# KiCad board Womo.kicad_pcb (continued)
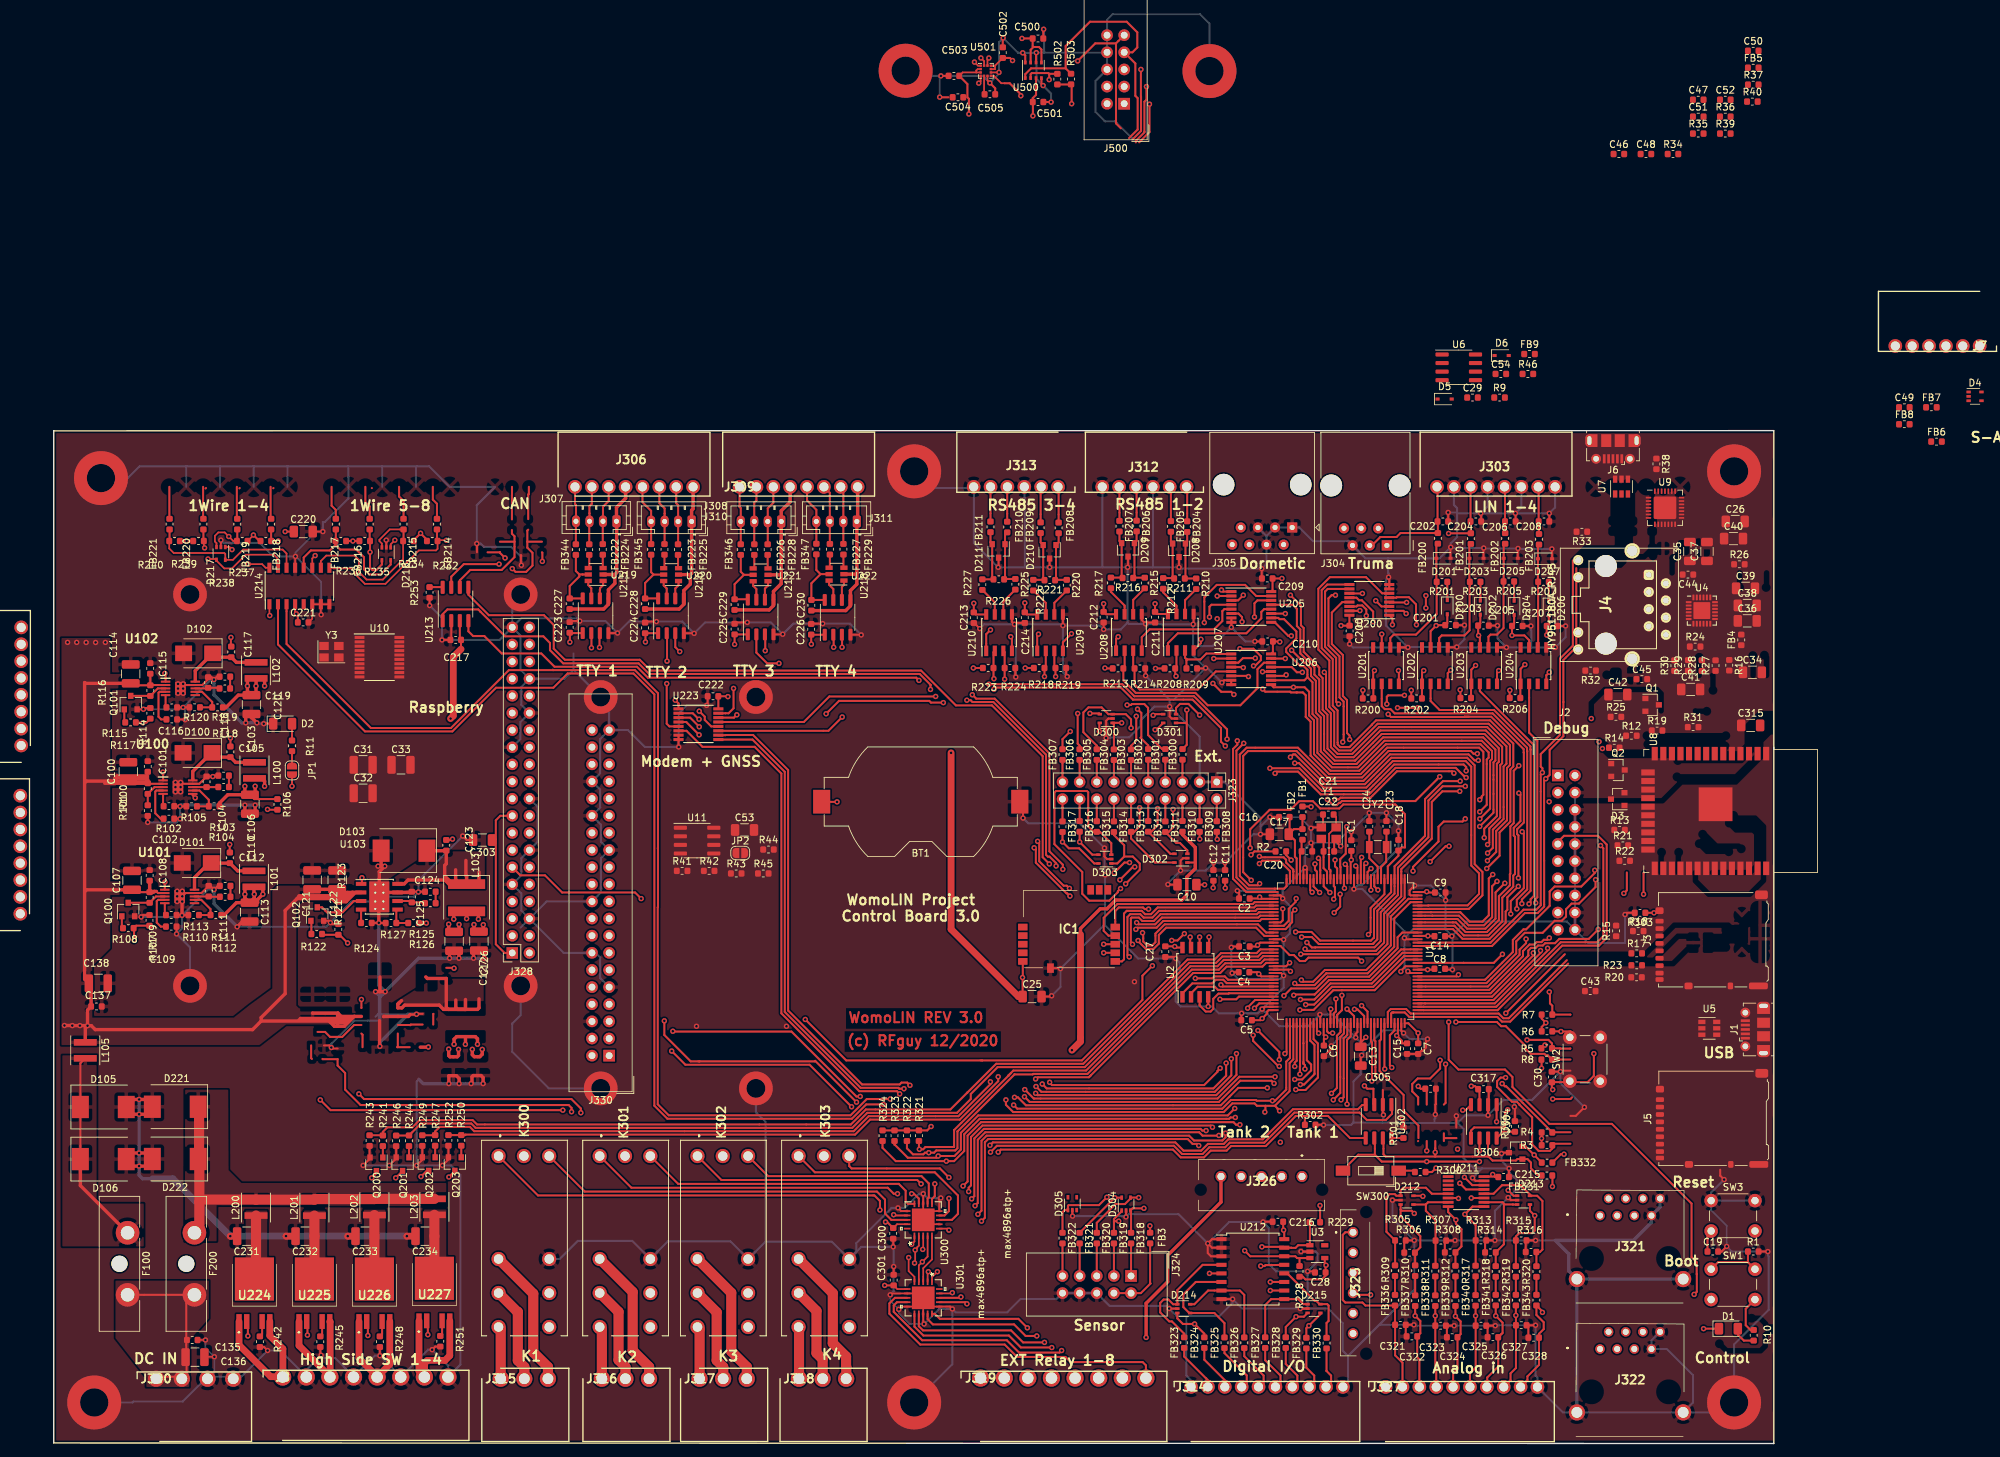
[diagram p0: board, top side]
## Placement (name value [footprint] x y rotation side) (continued)
R27  51R1  [R_0603_1608Metric]  246.25 115.29 90 top
R28  51R1  [R_0603_1608Metric]  244.22 115.29 90 top
R29  51R1  [R_0603_1608Metric]  242.19 115.32 90 top
R30  51R1  [R_0603_1608Metric]  240.16 115.29 90 top
R31  10k  [R_0603_1608Metric]  242.93 106.17 0 top
R32  330  [R_0603_1608Metric]  227.74 114.55 180 top
R33  330  [R_0603_1608Metric]  226.44 135.13 180 top
R34  4k7  [R_0603_1608Metric]  239.95 191.11 0 top
R35  120  [R_0603_1608Metric]  243.69 194.14 0 top
R36  120  [R_0603_1608Metric]  247.7 196.65 0 top
R37  120  [R_0603_1608Metric]  251.84 201.39 0 top
R38  120  [R_0603_1608Metric]  237.49 145.19 270 top
R39  0  [R_0603_1608Metric]  247.7 194.14 0 top
R40  0  [R_0603_1608Metric]  251.71 198.88 0 top
R41  0  [R_0603_1608Metric]  93.11 84.87 0 top
R42  0  [R_0603_1608Metric]  97.12 84.87 0 top
R43  10k  [R_0603_1608Metric]  101.13 84.48 0 top
R44  10k  [R_0603_1608Metric]  105.91 88.03 0 top
R45  10k  [R_0603_1608Metric]  105.14 84.48 0 top
R46  1k  [R_0603_1608Metric]  218.45 158.52 0 top
R100  332k  [R_0603_1608Metric]  13.93 97.07 270 top
R101  61k9  [R_0603_1608Metric]  13.93 93.8 270 top
R102  90k9  [R_0603_1608Metric]  17.07 94.45 0 top
R103  32k4  [R_0603_1608Metric]  25.17 97.29 0 top
R104  31k6  [R_0603_1608Metric]  23.76 94.44 180 top
R105  10k  [R_0603_1608Metric]  20.44 94.44 180 top
R106  10k  [R_0603_1608Metric]  33.15 94.72 270 top
R107  100k  [R_0603_1608Metric]  14.19 77.53 90 top
R108  10k  [R_0603_1608Metric]  11.05 76.38 0 top
R109  332k  [R_0603_1608Metric]  14.21 80.92 270 top
R110  90k9  [R_0603_1608Metric]  17.41 78.32 0 top
R111  32k4  [R_0603_1608Metric]  25.4 81.03 0 top
R112  53k6  [R_0603_1608Metric]  24.02 78.32 180 top
R113  10k  [R_0603_1608Metric]  20.73 78.32 180 top
R114  100k  [R_0603_1608Metric]  14.31 108.22 90 top
R115  10k  [R_0603_1608Metric]  11.38 106.87 0 top
R116  332k  [R_0603_1608Metric]  14.31 111.58 270 top
R117  90k9  [R_0603_1608Metric]  17.49 109.09 0 top
R118  32k4  [R_0603_1608Metric]  25.35 111.9 0 top
R119  31k6  [R_0603_1608Metric]  24.27 109.09 180 top
R120  10k  [R_0603_1608Metric]  20.88 109.11 180 top
R121  100k  [R_0603_1608Metric]  42.18 76.19 90 top
R122  10k  [R_0603_1608Metric]  38.96 75.51 0 top
R123  532k  [R_0603_1608Metric]  42.16 79.51 270 top
R124  243k  [R_0603_1608Metric]  46.33 77.15 180 top
R125  16k9  [R_0603_1608Metric]  55.8 80.07 0 top
R126  53k6  [R_0603_1608Metric]  53.32 77.14 180 top
R127  10k2  [R_0603_1608Metric]  49.98 77.14 180 top
R200  10k  [R_0603_1608Metric]  194.76 110.43 0 top
R201  1k  [R_0603_1608Metric]  205.72 127.7 180 top
R202  10k  [R_0603_1608Metric]  201.96 110.43 0 top
R203  1k  [R_0603_1608Metric]  210.63 127.7 180 top
R204  10k  [R_0603_1608Metric]  209.23 110.49 0 top
R205  1k  [R_0603_1608Metric]  215.62 127.76 180 top
R206  10k  [R_0603_1608Metric]  216.54 110.49 0 top
R207  1k  [R_0603_1608Metric]  220.75 127.7 180 top
R208  47k  [R_0603_1608Metric]  165.39 114.87 0 top
R209  47k  [R_0603_1608Metric]  168.63 114.87 0 top
R210  10R  [R_0603_1608Metric]  169.29 127.42 270 top
R211  120R  [R_0603_1608Metric]  166.81 128.21 180 top
R212  10R  [R_0603_1608Metric]  164.4 127.47 270 top
R213  47k  [R_0603_1608Metric]  157.71 114.87 0 top
R214  47k  [R_0603_1608Metric]  160.95 114.87 0 top
R215  10R  [R_0603_1608Metric]  161.67 127.53 270 top
R216  120R  [R_0603_1608Metric]  159.17 128.27 180 top
R217  10R  [R_0603_1608Metric]  156.65 127.55 270 top
R218  47k  [R_0603_1608Metric]  146.02 114.94 0 top
R219  47k  [R_0603_1608Metric]  149.23 114.94 0 top
R220  10R  [R_0603_1608Metric]  150.11 127.22 270 top
R221  120R  [R_0603_1608Metric]  147.6 127.95 180 top
R222  10R  [R_0603_1608Metric]  145.16 127.22 270 top
R223  47k  [R_0603_1608Metric]  138.47 114.94 0 top
R224  47k  [R_0603_1608Metric]  141.69 114.94 0 top
R225  10R  [R_0603_1608Metric]  142.49 127.34 270 top
R226  120R  [R_0603_1608Metric]  140.04 128.08 180 top
R227  10R  [R_0603_1608Metric]  137.6 127.29 270 top
R228  10k  [R_0603_1608Metric]  184.61 25.51 90 top
R229  10k  [R_0603_1608Metric]  186.87 32.79 180 top
R232  4k7  [R_0603_1608Metric]  56.09 133.76 0 top
R234  4k7  [R_0603_1608Metric]  52.56 133.76 180 top
R235  4k7  [R_0603_1608Metric]  46.08 133.76 0 top
R236  4k7  [R_0603_1608Metric]  42.54 133.76 180 top
R237  4k7  [R_0603_1608Metric]  31.42 133.76 0 top
R238  4k7  [R_0603_1608Metric]  27.93 133.76 180 top
R239  4k7  [R_0603_1608Metric]  21.46 133.76 0 top
R240  4k7  [R_0603_1608Metric]  17.9 133.76 180 top
R241  10k  [R_0603_1608Metric]  48.77 44.87 90 top
R242  1k  [R_0603_1608Metric]  30.54 15.09 90 top
R243  100k  [R_0603_1608Metric]  46.8 44.89 270 top
R244  10k  [R_0603_1608Metric]  52.64 44.87 90 top
R245  1k  [R_0603_1608Metric]  39.5 15.09 90 top
R246  100k  [R_0603_1608Metric]  50.74 44.86 270 top
R247  10k  [R_0603_1608Metric]  56.52 44.92 90 top
R248  1k  [R_0603_1608Metric]  48.32 15.09 90 top
R249  100k  [R_0603_1608Metric]  54.61 44.89 270 top
R250  10k  [R_0603_1608Metric]  60.39 44.92 90 top
R251  1k  [R_0603_1608Metric]  57.28 15.15 90 top
R252  100k  [R_0603_1608Metric]  58.48 44.92 270 top
R253  47k  [R_0603_1608Metric]  55.69 126.14 270 top
R300  120R  [R_0603_1608Metric]  202.49 40.23 180 top
R301  47k  [R_0603_1608Metric]  200 46.06 90 top
R302  47k  [R_0603_1608Metric]  186.18 47.23 0 top
R303  47k  [R_0603_1608Metric]  235.07 78.65 180 top
R304  47k  [R_0603_1608Metric]  216.52 46.99 90 top
R305  1k  [R_0603_1608Metric]  199.56 30.1 0 top
R306  1k  [R_0603_1608Metric]  200.92 28.28 180 top
R307  1k  [R_0603_1608Metric]  205.55 30.07 0 top
R308  1k  [R_0603_1608Metric]  206.92 28.32 180 top
R309  10k  [R_0603_1608Metric]  198.76 25.62 90 top
R310  10k  [R_0603_1608Metric]  201.74 25.62 90 top
R311  10k  [R_0603_1608Metric]  204.73 25.55 90 top
R312  10k  [R_0603_1608Metric]  207.71 25.55 90 top
R313  1k  [R_0603_1608Metric]  211.49 30.1 0 top
R314  1k  [R_0603_1608Metric]  212.89 28.32 180 top
R315  1k  [R_0603_1608Metric]  217.45 30.1 0 top
R316  1k  [R_0603_1608Metric]  218.91 28.38 180 top
R317  10k  [R_0603_1608Metric]  210.69 25.56 90 top
R318  10k  [R_0603_1608Metric]  213.68 25.5 90 top
R319  10k  [R_0603_1608Metric]  216.66 25.5 90 top
R320  10k  [R_0603_1608Metric]  219.71 25.49 90 top
R321  47k  [R_0603_1608Metric]  128.21 45.62 90 top
R322  47k  [R_0603_1608Metric]  126.43 45.62 90 top
R323  47k  [R_0603_1608Metric]  124.59 45.62 90 top
R324  47k  [R_0603_1608Metric]  122.81 45.62 90 top
R502  10k  [R_0603_1608Metric]  148.72 202.21 90 top
R503  10k  [R_0603_1608Metric]  150.75 202.22 90 top
SW1  Boot  [SW_PUSH_6mm]  245.6 25.84 0 top
SW2  ESP_B  [SW_PUSH_6mm]  224.66 53.7 90 top
SW3  Reset  [SW_PUSH_6mm]  245.6 36 0 top
SW300  SW_DIP_x01  [ck_smd_DIP_1]  195.17 40.44 180 top
U1  STM32L476ZGTx  [LQFP-144_20x20mm_P0.5mm]  191.43 72.98 270 top
U2  W25Q128JVSIQ  [SOIJ-8_5.3x5.3mm_P1.27mm]  169.17 69.85 90 top
U3  24AA02UID  [SOT-23-5]  187.24 28.44 0 top
U4  KSZ8081  [QFN-24-1EP_4x4mm_Pitch0.5mm]  244.22 123.44 0 top
U5  USBLC6-2SC6  [SOT-23-6]  245.32 61.53 0 top
U6  TJA1029T  [SOIC-8_3.9x4.9mm_P1.27mm#2]  208.21 159.5 0 top
U7  USBLC6-2SC6  [SOT-23-6]  232.32 141.83 90 top
U8  -  [ESP32-WROOM-32]  245.5 93.74 270 top
U9  CP2102N-A01-GQFN28  [QFN-28-1EP_5x5mm_P0.5mm_EP3.35x3.35mm]  238.76 138.68 0 top
U10  MCP2515-xST  [TSSOP-20_4.4x6.5mm_P0.65mm]  48.26 116.54 0 top
U11  24LC08  [SOIC-8_3.9x4.9mm_P1.27mm#2]  95.33 89.35 0 top
U100  TPS54160DGQR  [SOP50P490X110-11N]  18.4 97.28 0 top
U101  TPS54160DGQR  [SOP50P490X110-11N]  18.66 81.08 0 top
U102  TPS54160DGQR  [SOP50P490X110-11N]  18.77 111.91 0 top
U103  TPS54360DDA  [TI_SO-PowerPAD-8_ThermalVias]  48.25 81.04 0 top
U200  SN74LV4052A  [TSSOP-16_4.4x5mm_P0.65mm]  194.95 125.03 180 top
U201  TJA1029T  [SOIC-8_3.9x4.9mm_P1.27mm]  197.42 115.29 90 top
U202  TJA1029T  [SOIC-8_3.9x4.9mm_P1.27mm]  204.66 115.29 90 top
U203  TJA1029T  [SOIC-8_3.9x4.9mm_P1.27mm]  211.96 115.29 90 top
U204  TJA1029T  [SOIC-8_3.9x4.9mm_P1.27mm]  219.27 115.28 90 top
U205  SN74LV4052A  [TSSOP-16_4.4x5mm_P0.65mm]  177.46 123.98 0 top
U206  SN74LV4052A  [TSSOP-16_4.4x5mm_P0.65mm]  177.44 114.74 0 top
U207  MAX3072E  [SOIC-8_3.9x4.9mm_P1.27mm]  167.01 120.24 90 top
U208  MAX3072E  [SOIC-8_3.9x4.9mm_P1.27mm]  159.32 120.21 90 top
U209  MAX3072E  [SOIC-8_3.9x4.9mm_P1.27mm]  147.64 120.17 90 top
U210  MAX3072E  [SOIC-8_3.9x4.9mm_P1.27mm]  140.08 120.17 90 top
U211  MAX11615  [QSOP-16_3.9x4.9mm_P0.635mm]  209.28 37.34 0 top
U212  PCF8574A  [SOIC-16W_7.5x10.3mm_P1.27mm]  177.69 25.84 0 top
U213  SN65HVD234  [SOIC-8_3.9x4.9mm_P1.27mm#2]  59.54 124.42 90 top
U214  DS2482S-800+  [SOIC-16_3.9x9.9mm_P1.27mm]  36.4 127.09 90 top
U215  SI8422BB-D-IS  [SO-8_3.9x4.9mm_P1.27mm]  80.29 122.68 90 top
U216  SI8422BB-D-IS  [SO-8_3.9x4.9mm_P1.27mm]  91.47 122.67 90 top
U217  SI8422BB-D-IS  [SO-8_3.9x4.9mm_P1.27mm]  104.75 122.49 90 top
U218  SI8422BB-D-IS  [SO-8_3.9x4.9mm_P1.27mm]  116.16 122.44 90 top
U219  USBLC6-2SC6  [SOT-23-6]  80.31 128.79 180 top
U220  USBLC6-2SC6  [SOT-23-6]  91.48 128.78 180 top
U221  USBLC6-2SC6  [SOT-23-6]  104.74 128.74 180 top
U222  USBLC6-2SC6  [SOT-23-6]  116 128.84 180 top
U223  SN74LV4052A  [TSSOP-16_4.4x5mm_P0.65mm]  95.53 106.6 0 top
U224  -  [BTS6143D]  29.74 21.48 0 top
U225  -  [BTS6143D]  38.63 21.48 0 top
U226  -  [BTS6143D]  47.52 21.48 0 top
U227  -  [BTS6143D]  56.41 21.58 0 top
U300  max4896atp+  [max4896atp&plus_]  128.84 33.15 90 top
U301  max4896atp+  [max4896atp&plus_]  128.84 21.59 270 top
U302  SN65HVD234  [SOIC-8_3.9x4.9mm_P1.27mm#2]  196.32 47.75 270 top
U304  SN65HVD234  [SOIC-8_3.9x4.9mm_P1.27mm#2]  211.91 47.74 270 top
U500  BME680  [Bosch_LGA-8_3x3mm_P0.8mm_ClockwisePinNumbering]  145.16 203.52 180 top
U501  LSM303AGR  [LGA-12_2x2mm_P0.5mm]  138.11 203.45 0 top
Y1  25 MHz  [Crystal_SMD_3225-4Pin_3.2x2.5mm]  188.93 90.46 180 top
Y2  32.768  [Crystal_SMD_MicroCrystal_CC7V-T1A-2Pin_3.2x1.5mm]  196.2 88.39 180 top
Y3  16 MHz  [Crystal_SMD_3225-4Pin_3.2x2.5mm]  41.15 117.35 0 top

## Footprints (pads in the part's own frame, mm; a bottom-side part is the same pattern mirrored in y, then rotated)
436500527
  round 0.001 hole 1.32 unplated: (-15,-1.96) (3,-1.96)
  round 1.605 hole 1.07: 1(0,0) 2(-3,0) 3(-6,0) 4(-9,0) 5(-12,0)
436500628
  round 0.001 hole 1.32 unplated: (-18,-1.96) (3,-1.96)
  round 1.53 hole 1.02: 1(0,0) 2(-3,0) 3(-6,0) 4(-9,0) 5(-12,0) 6(-15,0)
513932432
  round 2.1 hole 1.4: 11(-5.04,0) 12(-10.08,0) 14(0,0) 21(-5.04,7.5) 22(-10.08,7.5) 24(0,7.5) A1(-25.34,0) A2(-25.34,7.5) A3(-25.34,3.75)
615008138221
  round 0.001 hole 3.17 unplated: (-1.27,-6.35) (10.16,-6.35)
  round 1.4 hole 0.9: 1(0,0) 2(1.27,2.54) 3(2.54,0) 4(3.81,2.54) 5(5.08,0) 6(6.35,2.54) 7(7.62,0) 8(8.89,2.54)
  round 2.4 hole 1.6: MH3(-3.43,-9.4) MH4(12.32,-9.4)
BatteryHolder_Keystone_1058_1x2032
  rect 2.54x3.51 smd: 1(-14.68,0) 2(14.68,0)
Bosch_LGA-8_3x3mm_P0.8mm_ClockwisePinNumbering
  rect 0.4x0.55 smd: 1(-1.2,1.15) 2(-0.4,1.15) 3(0.4,1.15) 4(1.2,1.15) 5(1.2,-1.15) 6(0.4,-1.15) 7(-0.4,-1.15) 8(-1.2,-1.15)
BTS6143D
  rect 0.8x2.2 smd: 1(-2.28,-3.4) 2(-1.14,-3.4) 4(1.14,-3.4) 5(2.28,-3.4)
  rect 5.8x6.4 smd: 3(0,2.9)
C_0603_1608Metric
  rrect 0.875x0.95 smd: 1(-0.787,0) 2(0.787,0)
C_1206_3216Metric
  rrect 1.25x1.75 smd: 1(-1.4,0) 2(1.4,0)
C_1210_3225Metric
  rrect 1.25x2.65 smd: 1(-1.4,0) 2(1.4,0)
ck_smd_DIP_1
  rect 2.15x1.5 smd: 1(-4.125,0) 2(4.125,0)
Crystal_SMD_3225-4Pin_3.2x2.5mm
  rect 1.4x1.2 smd: 1(-1.1,-0.85) 2(1.1,-0.85) 3(1.1,0.85) 4(-1.1,0.85)
Crystal_SMD_MicroCrystal_CC7V-T1A-2Pin_3.2x1.5mm
  rect 1x1.8 smd: 1(-1.25,0) 2(1.25,0)
D_SMB
  rect 2.5x2.3 smd: 1(-2.15,0) 2(2.15,0)
D_SMC
  rect 2.5x3.3 smd: 1(-3.4,0) 2(3.4,0)
D_SOD-323
  rect 0.6x0.45 smd: 1(-1.05,0) 2(1.05,0)
ESP32-WROOM-32
  rect 2x0.9 smd: 1(-8.5,8.255) 2(-8.5,6.985) 3(-8.5,5.715) 4(-8.5,4.445) 5(-8.5,3.175) 6(-8.5,1.905) 7(-8.5,0.635) 8(-8.5,-0.635) 9(-8.5,-1.905) 10(-8.5,-3.175) 11(-8.5,-4.445) 12(-8.5,-5.715) 13(-8.5,-6.985) 14(-8.5,-8.255) 25(8.5,-8.255) 26(8.5,-6.985) 27(8.5,-5.715) 28(8.5,-4.445) 29(8.5,-3.175) 30(8.5,-1.905) 31(8.5,-0.635) 32(8.5,0.635) 33(8.5,1.905) 34(8.5,3.175) 35(8.5,4.445) 36(8.5,5.715) 37(8.5,6.985) 38(8.5,8.255)
  rect 0.9x2 smd: 15(-5.715,-9.255) 16(-4.445,-9.255) 17(-3.175,-9.255) 18(-1.905,-9.255) 19(-0.635,-9.255) 20(0.635,-9.255) 21(1.905,-9.255) 22(3.175,-9.255) 23(4.445,-9.255) 24(5.715,-9.255)
  rect 5x5 smd: 39(-1,0.755)
Fuseholder_Blade_ATO_Littelfuse_Pudenz_2_Pin
  round 2.4 hole 2.4 unplated: (4.6,-1.2)
  round 3.5 hole 2: 1(0,0) 2(9.2,0)
HY951180A_RJ45
  round 3.25 hole 3.25 unplated: (-5.75,0) (5.75,0)
  round 2.25 hole 1.6: 0(-8,3.9) 0(8,3.9)
  rrect 1.5x1.5 hole 0.9: 1(-4.44,6.36)
  round 1.5 hole 0.9: 2(-3.18,8.9) 3(-1.9,6.36) 4(-0.64,8.9) 5(0.64,6.36) 6(1.9,8.9) 7(3.18,6.36) 8(4.44,8.9)
  round 1.5 hole 1: 9(-6.625,-4.1) 10(-4.085,-4.1) 11(4.085,-4.1) 12(6.625,-4.1)
IDC-Header_2x05_P2.54mm_Vertical
  rect 1.727x1.727 hole 1.016: 1(0,0)
  oval 1.727x1.727 hole 1.016: 2(2.54,0) 3(0,-2.54) 4(2.54,-2.54) 5(0,-5.08) 6(2.54,-5.08) 7(0,-7.62) 8(2.54,-7.62) 9(0,-10.16) 10(2.54,-10.16)
IDC-Header_2x10_P2.54mm_Vertical
  rect 1.727x1.727 hole 1.016: 1(0,0)
  oval 1.727x1.727 hole 1.016: 2(2.54,0) 3(0,-2.54) 4(2.54,-2.54) 5(0,-5.08) 6(2.54,-5.08) 7(0,-7.62) 8(2.54,-7.62) 9(0,-10.16) 10(2.54,-10.16) 11(0,-12.7) 12(2.54,-12.7) 13(0,-15.24) 14(2.54,-15.24) 15(0,-17.78) 16(2.54,-17.78) 17(0,-20.32) 18(2.54,-20.32) 19(0,-22.86) 20(2.54,-22.86)
IDC-Header_2x20_P2.54mm_Vertical
  rect 1.727x1.727 hole 1.016: 1(0,0)
  oval 1.727x1.727 hole 1.016: 2(2.54,0) 3(0,-2.54) 4(2.54,-2.54) 5(0,-5.08) 6(2.54,-5.08) 7(0,-7.62) 8(2.54,-7.62) 9(0,-10.16) 10(2.54,-10.16) 11(0,-12.7) 12(2.54,-12.7) 13(0,-15.24) 14(2.54,-15.24) 15(0,-17.78) 16(2.54,-17.78) 17(0,-20.32) 18(2.54,-20.32) 19(0,-22.86) 20(2.54,-22.86) 21(0,-25.4) 22(2.54,-25.4) 23(0,-27.94) 24(2.54,-27.94) 25(0,-30.48) 26(2.54,-30.48) 27(0,-33.02) 28(2.54,-33.02) 29(0,-35.56) 30(2.54,-35.56) 31(0,-38.1) 32(2.54,-38.1) 33(0,-40.64) 34(2.54,-40.64) 35(0,-43.18) 36(2.54,-43.18) 37(0,-45.72) 38(2.54,-45.72) 39(0,-48.26) 40(2.54,-48.26)
JST_PH_B4B-PH-K_1x04_P2.00mm_Vertical
  rrect 1.2x1.75 hole 0.75: 1(0,0)
  oval 1.2x1.75 hole 0.75: 2(2,0) 3(4,0) 4(6,0)
L_0603_1608Metric
  rrect 0.875x0.95 smd: 1(-0.787,0) 2(0.787,0)
L_Coilcraft_XAL60xx_6.36x6.56mm
  rect 1.43x5.5 smd: 1(-2.02,0) 2(2.02,0)
L_Coilcraft_XxL4020
  rect 0.98x3.4 smd: 1(-1.185,0) 2(1.185,0)
L_Coilcraft_XxL4040
  rect 0.98x3.4 smd: 1(-1.185,0) 2(1.185,0)
LED_1206_3216Metric
  rrect 1.25x1.75 smd: 1(-1.4,0) 2(1.4,0)
LGA-12_2x2mm_P0.5mm
  rect 0.375x0.35 smd: 1(-0.762,0.75) 2(-0.762,0.25) 3(-0.762,-0.25) 4(-0.762,-0.75) 7(0.762,-0.75) 8(0.762,-0.25) 9(0.762,0.25) 10(0.762,0.75)
  rect 0.35x0.375 smd: 5(-0.25,-0.762) 6(0.25,-0.762) 11(0.25,0.762) 12(-0.25,0.762)
LQFP-144_20x20mm_P0.5mm
  rrect 1.475x0.3 smd: 1(-10.662,8.75) 2(-10.662,8.25) 3(-10.662,7.75) 4(-10.662,7.25) 5(-10.662,6.75) 6(-10.662,6.25) 7(-10.662,5.75) 8(-10.662,5.25) 9(-10.662,4.75) 10(-10.662,4.25) 11(-10.662,3.75) 12(-10.662,3.25) 13(-10.662,2.75) 14(-10.662,2.25) 15(-10.662,1.75) 16(-10.662,1.25) 17(-10.662,0.75) 18(-10.662,0.25) 19(-10.662,-0.25) 20(-10.662,-0.75) 21(-10.662,-1.25) 22(-10.662,-1.75) 23(-10.662,-2.25) 24(-10.662,-2.75) 25(-10.662,-3.25) 26(-10.662,-3.75) 27(-10.662,-4.25) 28(-10.662,-4.75) 29(-10.662,-5.25) 30(-10.662,-5.75) 31(-10.662,-6.25) 32(-10.662,-6.75) 33(-10.662,-7.25) 34(-10.662,-7.75) 35(-10.662,-8.25) 36(-10.662,-8.75) 73(10.662,-8.75) 74(10.662,-8.25) 75(10.662,-7.75) 76(10.662,-7.25) 77(10.662,-6.75) 78(10.662,-6.25) 79(10.662,-5.75) 80(10.662,-5.25) 81(10.662,-4.75) 82(10.662,-4.25) 83(10.662,-3.75) 84(10.662,-3.25) 85(10.662,-2.75) 86(10.662,-2.25) 87(10.662,-1.75) 88(10.662,-1.25) 89(10.662,-0.75) 90(10.662,-0.25) 91(10.662,0.25) 92(10.662,0.75) 93(10.662,1.25) 94(10.662,1.75) 95(10.662,2.25) 96(10.662,2.75) 97(10.662,3.25) 98(10.662,3.75) 99(10.662,4.25) 100(10.662,4.75) 101(10.662,5.25) 102(10.662,5.75) 103(10.662,6.25) 104(10.662,6.75) 105(10.662,7.25) 106(10.662,7.75) 107(10.662,8.25) 108(10.662,8.75)
  rrect 0.3x1.475 smd: 37(-8.75,-10.662) 38(-8.25,-10.662) 39(-7.75,-10.662) 40(-7.25,-10.662) 41(-6.75,-10.662) 42(-6.25,-10.662) 43(-5.75,-10.662) 44(-5.25,-10.662) 45(-4.75,-10.662) 46(-4.25,-10.662) 47(-3.75,-10.662) 48(-3.25,-10.662) 49(-2.75,-10.662) 50(-2.25,-10.662) 51(-1.75,-10.662) 52(-1.25,-10.662) 53(-0.75,-10.662) 54(-0.25,-10.662) 55(0.25,-10.662) 56(0.75,-10.662) 57(1.25,-10.662) 58(1.75,-10.662) 59(2.25,-10.662) 60(2.75,-10.662) 61(3.25,-10.662) 62(3.75,-10.662) 63(4.25,-10.662) 64(4.75,-10.662) 65(5.25,-10.662) 66(5.75,-10.662) 67(6.25,-10.662) 68(6.75,-10.662) 69(7.25,-10.662) 70(7.75,-10.662) 71(8.25,-10.662) 72(8.75,-10.662) 109(8.75,10.662) 110(8.25,10.662) 111(7.75,10.662) 112(7.25,10.662) 113(6.75,10.662) 114(6.25,10.662) 115(5.75,10.662) 116(5.25,10.662) 117(4.75,10.662) 118(4.25,10.662) 119(3.75,10.662) 120(3.25,10.662) 121(2.75,10.662) 122(2.25,10.662) 123(1.75,10.662) 124(1.25,10.662) 125(0.75,10.662) 126(0.25,10.662) 127(-0.25,10.662) 128(-0.75,10.662) 129(-1.25,10.662) 130(-1.75,10.662) 131(-2.25,10.662) 132(-2.75,10.662) 133(-3.25,10.662) 134(-3.75,10.662) 135(-4.25,10.662) 136(-4.75,10.662) 137(-5.25,10.662) 138(-5.75,10.662) 139(-6.25,10.662) 140(-6.75,10.662) 141(-7.25,10.662) 142(-7.75,10.662) 143(-8.25,10.662) 144(-8.75,10.662)
max4896atp&plus_
  rect 0.965x0.254 smd: 1(-2.375,1.3) 2(-2.375,0.65) 3(-2.375,0) 4(-2.375,-0.65) 5(-2.375,-1.3) 11(2.375,-1.3) 12(2.375,-0.65) 13(2.375,0) 14(2.375,0.65) 15(2.375,1.3)
  rect 0.254x0.965 smd: 6(-1.3,-2.375) 7(-0.65,-2.375) 8(0,-2.375) 9(0.65,-2.375) 10(1.3,-2.375) 16(1.3,2.375) 17(0.65,2.375) 18(0,2.375) 19(-0.65,2.375) 20(-1.3,2.375)
  rect 3.353x3.353 smd: 21(0,0)
mico_sd
  rrect 0.7x1.2 smd: 1(2.775,7.725) 2(1.675,7.725) 3(0.575,7.725) 4(-0.525,7.725) 5(-1.625,7.725) 6(-2.725,7.725) 7(-3.825,7.725) 8(-4.925,7.725) 9(-5.875,7.725)
  rrect 1x0.8 smd: 10(-6.825,-2.775)
  rrect 1x1.2 smd: 11(-6.825,3.425) 11(4.325,7.725)
  rrect 1x2.8 smd: 11(-6.825,-6.925)
  rrect 1.3x1.9 smd: 11(6.675,-7.375)
PinHeader_2x10_P2.54mm_Vertical
  rect 1.7x1.7 hole 1: 1(0,0)
  oval 1.7x1.7 hole 1: 2(2.54,0) 3(0,-2.54) 4(2.54,-2.54) 5(0,-5.08) 6(2.54,-5.08) 7(0,-7.62) 8(2.54,-7.62) 9(0,-10.16) 10(2.54,-10.16) 11(0,-12.7) 12(2.54,-12.7) 13(0,-15.24) 14(2.54,-15.24) 15(0,-17.78) 16(2.54,-17.78) 17(0,-20.32) 18(2.54,-20.32) 19(0,-22.86) 20(2.54,-22.86)
PinSocket_2x20_P2.54mm_Vertical
  rect 1.7x1.7 hole 1: 1(0,0)
  oval 1.7x1.7 hole 1: 2(-2.54,0) 3(0,-2.54) 4(-2.54,-2.54) 5(0,-5.08) 6(-2.54,-5.08) 7(0,-7.62) 8(-2.54,-7.62) 9(0,-10.16) 10(-2.54,-10.16) 11(0,-12.7) 12(-2.54,-12.7) 13(0,-15.24) 14(-2.54,-15.24) 15(0,-17.78) 16(-2.54,-17.78) 17(0,-20.32) 18(-2.54,-20.32) 19(0,-22.86) 20(-2.54,-22.86) 21(0,-25.4) 22(-2.54,-25.4) 23(0,-27.94) 24(-2.54,-27.94) 25(0,-30.48) 26(-2.54,-30.48) 27(0,-33.02) 28(-2.54,-33.02) 29(0,-35.56) 30(-2.54,-35.56) 31(0,-38.1) 32(-2.54,-38.1) 33(0,-40.64) 34(-2.54,-40.64) 35(0,-43.18) 36(-2.54,-43.18) 37(0,-45.72) 38(-2.54,-45.72) 39(0,-48.26) 40(-2.54,-48.26)
QFN-24-1EP_4x4mm_Pitch0.5mm
  rrect 0.85x0.3 smd: 1(-1.95,1.25) 2(-1.95,0.75) 3(-1.95,0.25) 4(-1.95,-0.25) 5(-1.95,-0.75) 6(-1.95,-1.25) 13(1.95,-1.25) 14(1.95,-0.75) 15(1.95,-0.25) 16(1.95,0.25) 17(1.95,0.75) 18(1.95,1.25)
  rrect 0.3x0.85 smd: 7(-1.25,-1.95) 8(-0.75,-1.95) 9(-0.25,-1.95) 10(0.25,-1.95) 11(0.75,-1.95) 12(1.25,-1.95) 19(1.25,1.95) 20(0.75,1.95) 21(0.25,1.95) 22(-0.25,1.95) 23(-0.75,1.95) 24(-1.25,1.95)
  rrect 2.5x2.5 smd: 25(0,0)
QFN-28-1EP_5x5mm_P0.5mm_EP3.35x3.35mm
  rrect 0.9x0.9 smd: (-1.12,1.12) (-1.12,0) (-1.12,-1.12) (0,1.12) (0,0) (0,-1.12) (1.12,1.12) (1.12,0) (1.12,-1.12)
  rrect 0.8x0.25 smd: 1(-2.45,1.5) 2(-2.45,1) 3(-2.45,0.5) 4(-2.45,0) 5(-2.45,-0.5) 6(-2.45,-1) 7(-2.45,-1.5) 15(2.45,-1.5) 16(2.45,-1) 17(2.45,-0.5) 18(2.45,0) 19(2.45,0.5) 20(2.45,1) 21(2.45,1.5)
  rrect 0.25x0.8 smd: 8(-1.5,-2.45) 9(-1,-2.45) 10(-0.5,-2.45) 11(0,-2.45) 12(0.5,-2.45) 13(1,-2.45) 14(1.5,-2.45) 22(1.5,2.45) 23(1,2.45) 24(0.5,2.45) 25(0,2.45) 26(-0.5,2.45) 27(-1,2.45) 28(-1.5,2.45)
  rrect 3.35x3.35 smd: 29(0,0)
QSOP-16_3.9x4.9mm_P0.635mm
  rect 1.6x0.41 smd: 1(-2.654,2.223) 2(-2.654,1.587) 3(-2.654,0.953) 4(-2.654,0.318) 5(-2.654,-0.318) 6(-2.654,-0.953) 7(-2.654,-1.587) 8(-2.654,-2.223) 9(2.654,-2.223) 10(2.654,-1.587) 11(2.654,-0.953) 12(2.654,-0.318) 13(2.654,0.318) 14(2.654,0.953) 15(2.654,1.587) 16(2.654,2.223)
R_0603_1608Metric
  rrect 0.875x0.95 smd: 1(-0.787,0) 2(0.787,0)
RJ12_Amphenol_54601
  round 3.25 hole 3.25 unplated: (-1.91,-8.89) (8.25,-8.89)
  rect 1.52x1.52 hole 0.76: 1(0,0)
  round 1.52 hole 0.76: 2(1.27,-2.54) 3(2.54,0) 4(3.81,-2.54) 5(5.08,0) 6(6.35,-2.54)
RJ45_Amphenol_54602-x08_Horizontal
  round 3.2 hole 3.2 unplated: (-1.27,-6.35) (10.16,-6.35)
  rect 1.5x1.5 hole 0.76: 1(0,0)
  round 1.5 hole 0.76: 2(1.27,2.54) 3(2.54,0) 4(3.81,2.54) 5(5.08,0) 6(6.35,2.54) 7(7.62,0) 8(8.89,2.54)
SHDR3W100P0X350_1X3_1290X1030X850P
  round 2.4 hole 1.6: 1(0,0) 2(3.5,0) 3(7,0)
SHDR4W120P0X381_1X4_1640X1030X850P
  round 2.4 hole 1.6: 1(0,0) 2(3.81,0) 3(7.62,0) 4(11.43,0)
SHDR6W80P0X250_1X6_1750X890X780P
  round 2.025 hole 1.35: 1(0,0) 2(2.5,0) 3(5,0) 4(7.5,0) 5(10,0) 6(12.5,0)
SHDR8W80P0X250_1X8_2250X890X780P
  round 2.025 hole 1.35: 1(0,0) 2(2.5,0) 3(5,0) 4(7.5,0) 5(10,0) 6(12.5,0) 7(15,0) 8(17.5,0)
SHDR8W150P350X350_1X8_3040X1030X860P
  round 2.55 hole 1.7: 1(0,0) 2(3.5,0) 3(7,0) 4(10.5,0) 5(14,0) 6(17.5,0) 7(21,0) 8(24.5,0)
SHDR10W80P0X250_1X10_2750X890X780P
  round 2.025 hole 1.35: 1(0,0) 2(2.5,0) 3(5,0) 4(7.5,0) 5(10,0) 6(12.5,0) 7(15,0) 8(17.5,0) 9(20,0) 10(22.5,0)
SO-8_3.9x4.9mm_P1.27mm
  rrect 1.75x0.6 smd: 1(-2.575,1.905) 2(-2.575,0.635) 3(-2.575,-0.635) 4(-2.575,-1.905) 5(2.575,-1.905) 6(2.575,-0.635) 7(2.575,0.635) 8(2.575,1.905)
SOIC-8_3.9x4.9mm_P1.27mm
  rect 1.55x0.6 smd: 1(-2.7,1.905) 2(-2.7,0.635) 3(-2.7,-0.635) 4(-2.7,-1.905) 5(2.7,-1.905) 6(2.7,-0.635) 7(2.7,0.635) 8(2.7,1.905)
SOIC-8_3.9x4.9mm_P1.27mm#2
  rrect 1.95x0.6 smd: 1(-2.475,1.905) 2(-2.475,0.635) 3(-2.475,-0.635) 4(-2.475,-1.905) 5(2.475,-1.905) 6(2.475,-0.635) 7(2.475,0.635) 8(2.475,1.905)
SOIC-16_3.9x9.9mm_P1.27mm
  rect 1.5x0.6 smd: 1(-2.7,4.445) 2(-2.7,3.175) 3(-2.7,1.905) 4(-2.7,0.635) 5(-2.7,-0.635) 6(-2.7,-1.905) 7(-2.7,-3.175) 8(-2.7,-4.445) 9(2.7,-4.445) 10(2.7,-3.175) 11(2.7,-1.905) 12(2.7,-0.635) 13(2.7,0.635) 14(2.7,1.905) 15(2.7,3.175) 16(2.7,4.445)
SOIC-16W_7.5x10.3mm_P1.27mm
  rect 1.5x0.6 smd: 1(-4.65,4.445) 2(-4.65,3.175) 3(-4.65,1.905) 4(-4.65,0.635) 5(-4.65,-0.635) 6(-4.65,-1.905) 7(-4.65,-3.175) 8(-4.65,-4.445) 9(4.65,-4.445) 10(4.65,-3.175) 11(4.65,-1.905) 12(4.65,-0.635) 13(4.65,0.635) 14(4.65,1.905) 15(4.65,3.175) 16(4.65,4.445)
SOIJ-8_5.3x5.3mm_P1.27mm
  rect 1.7x0.65 smd: 1(-3.65,1.905) 2(-3.65,0.635) 3(-3.65,-0.635) 4(-3.65,-1.905) 5(3.65,-1.905) 6(3.65,-0.635) 7(3.65,0.635) 8(3.65,1.905)
SolderJumper-2_P1.3mm_Open_RoundedPad1.0x1.5mm
  custom 1x1.5 smd: 1(-0.65,0) 2(0.65,0)
SOP50P490X110-11N
  rect 1.4x0.3 smd: 1(-2.2,1) 2(-2.2,0.5) 3(-2.2,0) 4(-2.2,-0.5) 5(-2.2,-1) 6(2.2,-1) 7(2.2,-0.5) 8(2.2,0) 9(2.2,0.5) 10(2.2,1)
  rect 1.57x1.88 smd: 11(0,0)
SOT-23
  rect 0.9x0.8 smd: 1(-1,0.95) 2(-1,-0.95) 3(1,0)
SOT-23-5
  rect 1.06x0.65 smd: 1(-1.1,0.95) 2(-1.1,0) 3(-1.1,-0.95) 4(1.1,-0.95) 5(1.1,0.95)
SOT-23-6
  rect 1.06x0.65 smd: 1(-1.1,0.95) 2(-1.1,0) 3(-1.1,-0.95) 4(1.1,-0.95) 5(1.1,0) 6(1.1,0.95)
SOT-353_SC-70-5
  rect 0.65x0.4 smd: 1(-0.95,0.65) 2(-0.95,0) 3(-0.95,-0.65) 4(0.95,-0.65) 5(0.95,0.65)
SPSGRFC868
  rect 1.4x1 smd: 1(-6.85,0.28) 2(-6.85,-0.99) 3(-6.85,-2.26) 4(-6.85,-3.53) 5(-6.85,-4.8) 7(6.85,-4.8) 8(6.85,-3.53) 9(6.85,-2.26) 10(6.85,-0.99) 11(6.85,0.28)
  rect 1x1.4 smd: 6(-2.75,-5.8) 12(5.75,5.8) 13(4.48,5.8) 14(3.21,5.8)
SW_PUSH_6mm
  round 2 hole 1.1: 1(0,0) 1(6.5,0) 2(0,-4.5) 2(6.5,-4.5)
TI_SO-PowerPAD-8_ThermalVias
  rect 1.55x0.6 smd: 1(-2.7,1.905) 2(-2.7,0.635) 3(-2.7,-0.635) 4(-2.7,-1.905) 5(2.7,-1.905) 6(2.7,-0.635) 7(2.7,0.635) 8(2.7,1.905)
  round 0.6 hole 0.3: 9(-0.6,1.8) 9(-0.6,0.6) 9(-0.6,-0.7) 9(-0.6,-1.8) 9(0.6,1.8) 9(0.6,0.6) 9(0.6,-0.7) 9(0.6,-1.8)
  rect 2.6x3.1 smd: 9(0,0)
  rect 2.95x4.5 smd: 9(0,0)
  rect 2.95x4.5 smd far side: 9(0,0)
TSSOP-16_4.4x5mm_P0.65mm
  rect 1.5x0.45 smd: 1(-2.95,2.275) 2(-2.95,1.625) 3(-2.95,0.975) 4(-2.95,0.325) 5(-2.95,-0.325) 6(-2.95,-0.975) 7(-2.95,-1.625) 8(-2.95,-2.275) 9(2.95,-2.275) 10(2.95,-1.625) 11(2.95,-0.975) 12(2.95,-0.325) 13(2.95,0.325) 14(2.95,0.975) 15(2.95,1.625) 16(2.95,2.275)
TSSOP-20_4.4x6.5mm_P0.65mm
  rect 1.45x0.45 smd: 1(-2.95,2.925) 2(-2.95,2.275) 3(-2.95,1.625) 4(-2.95,0.975) 5(-2.95,0.325) 6(-2.95,-0.325) 7(-2.95,-0.975) 8(-2.95,-1.625) 9(-2.95,-2.275) 10(-2.95,-2.925) 11(2.95,-2.925) 12(2.95,-2.275) 13(2.95,-1.625) 14(2.95,-0.975) 15(2.95,-0.325) 16(2.95,0.325) 17(2.95,0.975) 18(2.95,1.625) 19(2.95,2.275) 20(2.95,2.925)
USB_Micro-B_Molex-105017-0001
  rect 0.4x1.35 smd: 1(-1.3,1.462) 2(-0.65,1.462) 3(0,1.462) 4(0.65,1.462) 5(1.3,1.462)
  oval 1.2x1.9 hole 0.6x1.3: 6(-3.5,-1.238) 6(3.5,-1.238)
  rect 1.2x1.9 smd: 6(-2.9,-1.238) 6(2.9,-1.238)
  round 1.45 hole 0.85: 6(-2.5,1.462) 6(2.5,1.462)
  rect 1.5x1.9 smd: 6(-1,-1.238) 6(1,-1.238)

## Nets
3VA_EN: R114.1 R115.2 U1.5
5V_EN: R107.1 R108.2 U1.58
5V_GSM_EN: U1.60
5V_Raspi_EN: R121.1 R122.2 U1.59
+3.3VA: C25.1 C26.1 C28.1 C30.2 C49.1 C120.1 C200.1 C209.1 C210.1 C211.2 C212.2 C213.2 C214.2 C215.2 C216.2 C220.1 C221.1 C222.1 C223.1 C224.1 C225.1 C226.1 C300.2 C301.2 C500.1 C501.1 C502.1 C503.1 C504.1 D4.1 FB3.2 FB8.2 FB309.2 IC1.5 J5.4 J500.2 J500.4 L102.2 R3.1 R4.1 R5.1 R6.1 R7.1 R119.1 R208.1 R213.1 R218.1 R223.1 R228.1 R229.1 R232.1 R234.1 R235.1 R236.1 R237.1 R238.1 R239.1 R240.1 R321.2 R322.2 R323.2 R324.2 R502.1 R503.1 U3.4 U200.16 U205.16 U206.16 U207.8 U208.8 U209.8 U210.8 U211.16 U212.16 U214.4 U215.1 U216.1 U217.1 U218.1 U223.16 U300.6 U300.19 U301.6 U301.19 U500.2 U500.6 U500.8 U501.2 U501.3 U501.9 U501.10
+3.3VP: C34.1 C39.1 C40.1 C42.1 C48.2 C315.1 FB4.1 J3.4 R12.1 R13.1 R16.1 R17.1 R18.1 R19.1 R20.1 R25.1 R31.1 R34.2 U4.14 U8.2 U9.6
+3V3: C1.1 C2.1 C3.1 C4.1 C5.1 C6.1 C7.1 C8.1 C9.1 C10.1 C11.1 C12.1 C13.1 C14.2 C15.2 C27.1 C106.1 C217.2 C305.2 C317.2 FB2.2 FB308.2 J2.1 J2.2 JP1.1 L100.2 R8.1 R9.1 R10.1 R39.1 R104.1 R106.1 R200.1 R202.1 R204.1 R206.1 SW1.2 U1.17 U1.39 U1.52 U1.62 U1.72 U1.84 U1.95 U1.106 U1.108 U1.121 U1.131 U1.144 U2.8 U213.3 U302.3 U304.3
+5V: C113.1 D302.1 FB310.2 K300.A3 K301.A3 K302.A3 K303.A3 L101.2 R112.1
+5VD: C33.1 C126.1 C127.1 J328.2 J328.4 J330.2 J330.4 L103.2 R126.1
GND: BT1.2 C1.2 C2.2 C3.2 C4.2 C5.2 C6.2 C7.2 C8.2 C9.2 C10.2 C11.2 C12.2 C13.2 C14.1 C15.1 C16.1 C17.1 C18.2 C19.2 C20.2 C21.2 C22.2 C23.1 C24.1 C25.2 C26.2 C27.2 C28.2 C29.1 C30.1 C31.2 C32.2 C33.2 C34.2 C35.2 C36.2 C37.2 C38.2 C39.2 C40.2 C41.2 C42.2 C43.2 C44.1 C45.1 C46.2 C47.1 C48.1 C49.2 C50.2 C51.2 C52.1 C53.2 C54.2 C100.2 C101.2 C102.2 C104.1 C105.1 C106.2 C107.2 C108.2 C109.2 C111.1 C112.1 C113.2 C114.2 C115.2 C116.2 C118.1 C119.1 C120.2 C121.2 C122.2 C124.2 C125.2 C126.2 C127.2 C135.2 C136.2 C137.2 C138.2 C200.2 C201.1 C202.2 C203.1 C204.2 C205.1 C206.2 C207.1 C208.2 C209.2 C210.2 C211.1 C212.1 C213.1 C214.1 C215.1 C216.1 C217.1 C220.2 C221.2 C222.2 C223.2 C224.2 C225.2 C226.2 C231.2 C232.2 C233.2 C234.2 C300.1 C301.1 C303.2 C305.1 C315.2 C317.1 C321.2 C322.2 C323.2 C324.2 C325.2 C326.2 C327.2 C328.2 C500.2 C501.2 C502.2 C503.2 C504.2 C505.2 D2.1 D4.2 D6.2 D100.2 D101.2 D102.2 D103.2 D105.2 D106.2 D201.2 D203.2 D205.2 D207.2 D208.3 D209.3 D210.3 D211.3 D212.2 D213.2 D214.2 D215.2 D217.2 D218.2 D221.2 D222.2 D300.2 D301.2 D302.2 D303.2 D304.2 D305.2 D306.3 IC1.6 J1.5 J1.6 J2.4 J2.6 J2.8 J2.10 J2.12 J2.14 J2.16 J2.18 J2.20 J3.6 J3.11 J4.0 J4.8 J4.10 J4.11 J5.6 J5.9 J5.11 J6.5 J6.6 J7.1 J7.6 J8.2 J8.4 J8.6 J8.8 J300.3 J300.4 J301.2 J301.4 J301.6 J301.8 J302.2 J302.4 J302.6 J302.8 J303.2 J303.4 J303.6 J303.8 J304.5 J305.1 J305.3 J305.4 J305.5 J312.3 J312.6 J313.3 J313.6 J314.1 J314.10 J321.7 J321.8 J321.MH3 J321.MH4 J322.7 J322.8 J322.MH3 J322.MH4 J323.1 J323.3 J324.6 J324.8 J324.10 J327.10 J328.6 J328.9 J328.14 J328.20 J328.25 J328.30 J328.34 J328.39 J330.6 J330.9 J330.14 J330.20 J330.25 J330.30 J330.34 J330.39 J500.6 J500.8 J500.10 JP2.2 K300.22 K301.22 K302.22 K303.22 Q100.2 Q101.2 Q102.2 Q200.2 Q201.2 Q202.2 Q203.2 R1.2 R24.2 R101.2 R102.2 R105.2 R107.2 R110.2 R113.2 R114.2 R117.2 R120.2 R121.2 R124.1 R127.2 R209.2 R214.2 R219.2 R224.2 R242.1 R243.2 R245.1 R246.2 R248.1 R249.2 R251.1 R252.2 R253.2 R301.2 R302.2 R303.2 R304.2 R305.2 R306.2 R307.2 R308.2 R313.2 R314.2 R315.2 R316.2 SW2.2 SW3.1 U1.16 U1.30 U1.31 U1.38 U1.51 U1.61 U1.71 U1.83 U1.94 U1.107 U1.120 U1.130 U1.143 U2.4 U3.2 U4.22 U4.25 U5.2 U6.5 U7.2 U8.1 U8.15 U8.38 U8.39 U9.3 U9.29 U10.10 U11.1 U11.2 U11.3 U11.4 U100.9 U100.11 U101.9 U101.11 U102.9 U102.11 U103.7 U103.9 U200.7 U200.8 U201.5 U202.5 U203.5 U204.5 U205.7 U205.8 U206.7 U206.8 U207.5 U208.5 U209.5 U210.5 U211.15 U212.1 U212.2 U212.3 U212.8 U213.2 U214.6 U214.7 U214.8 U214.13 U215.4 U216.4 U217.4 U218.4 U223.7 U223.8 U300.7 U300.10 U300.13 U300.16 U300.21 U301.7 U301.10 U301.13 U301.16 U301.21 U302.2 U304.2 U500.1 U500.5 U500.7 U501.6 U501.8 Y1.2 Y1.4 Y3.2 Y3.4
1Wire_P0: FB221.1 J301.1
1Wire_P1: FB220.1 J301.3
1Wire_P2: FB219.1 J301.5
1Wire_P3: FB218.1 J301.7
1Wire_P4: FB217.1 J302.1
1Wire_P5: FB216.1 J302.3
1Wire_P6: FB215.1 J302.5
1Wire_P7: FB214.1 J302.7
868_SDN: IC1.11 U1.97
+BATT: C29.2 C31.1 C32.1 C100.1 C101.1 C107.1 C108.1 C114.1 C115.1 C121.1 C122.1 C137.1 C138.1 C201.2 C203.2 C205.2 C207.2 D5.2 D200.2 D202.2 D204.2 D206.2 J321.1 J321.2 J322.1 J322.2 J325.5 J326.5 J327.1 L105.1 R100.1 R109.1 R116.1 R123.1 U6.7 U100.2 U101.2 U102.2 U103.2 U201.7 U202.7 U203.7 U204.7
AIN0: D212.1 R305.1 R309.2 U211.5
AIN1: D212.3 R306.1 R310.2 U211.6
AIN2: D212.4 R307.1 R311.2 U211.7
AIN3: D212.5 R308.1 R312.2 U211.8
AIN4: D213.1 R313.1 R317.2 U211.9
AIN5: D213.3 R314.1 R318.2 U211.10
AIN6: D213.4 R315.1 R319.2 U211.11
AIN7: D213.5 R316.1 R320.2 U211.12
BLE_Active: U1.29
BLE_INT: U1.28
BLE_RST: U1.53
Boot0: R1.1 SW1.1 U1.138
CAN1_RX: U1.139 U213.4
CAN1_TX: U1.140 U213.1
CAN-BUS_L: FB332.1
CAN_BUS_H: FB331.1 J321.4 J322.4
CAN_BUS_L: J321.5 J322.5
CAN_H: D306.1 FB331.2 R300.1 U213.7 U302.7 U304.7
CAN_L: D306.2 FB332.2 SW300.2 U213.6 U302.6 U304.6
DC_Input: C135.1 C136.1 F100.2 F200.2 J300.1 J300.2
DE_RS485_1: R209.1 U206.1 U207.3
DE_RS485_2: R214.1 U206.5 U208.3
DE_RS485_3: R219.1 U206.2 U209.3
DE_RS485_4: R224.1 U206.4 U210.3
EMAC_CLK_OUT: R26.1 U4.8
EMAC_RXCRS_DV: U4.15 U8.12
EMAC_RXD0: R29.2 U4.13
EMAC_RXD1: R30.2 U4.12
EMAC_TX_EN: U4.19 U8.33
EMAC_TXD0: R27.2 U4.20
EMAC_TXD1: R28.2 U4.21
ESP_Boot: U1.135
ESP_CAN_RX: U8.29 U304.4
ESP_CAN_SB: R303.1 U8.16 U304.5
